# KiCad board pcb.kicad_pcb (continued)
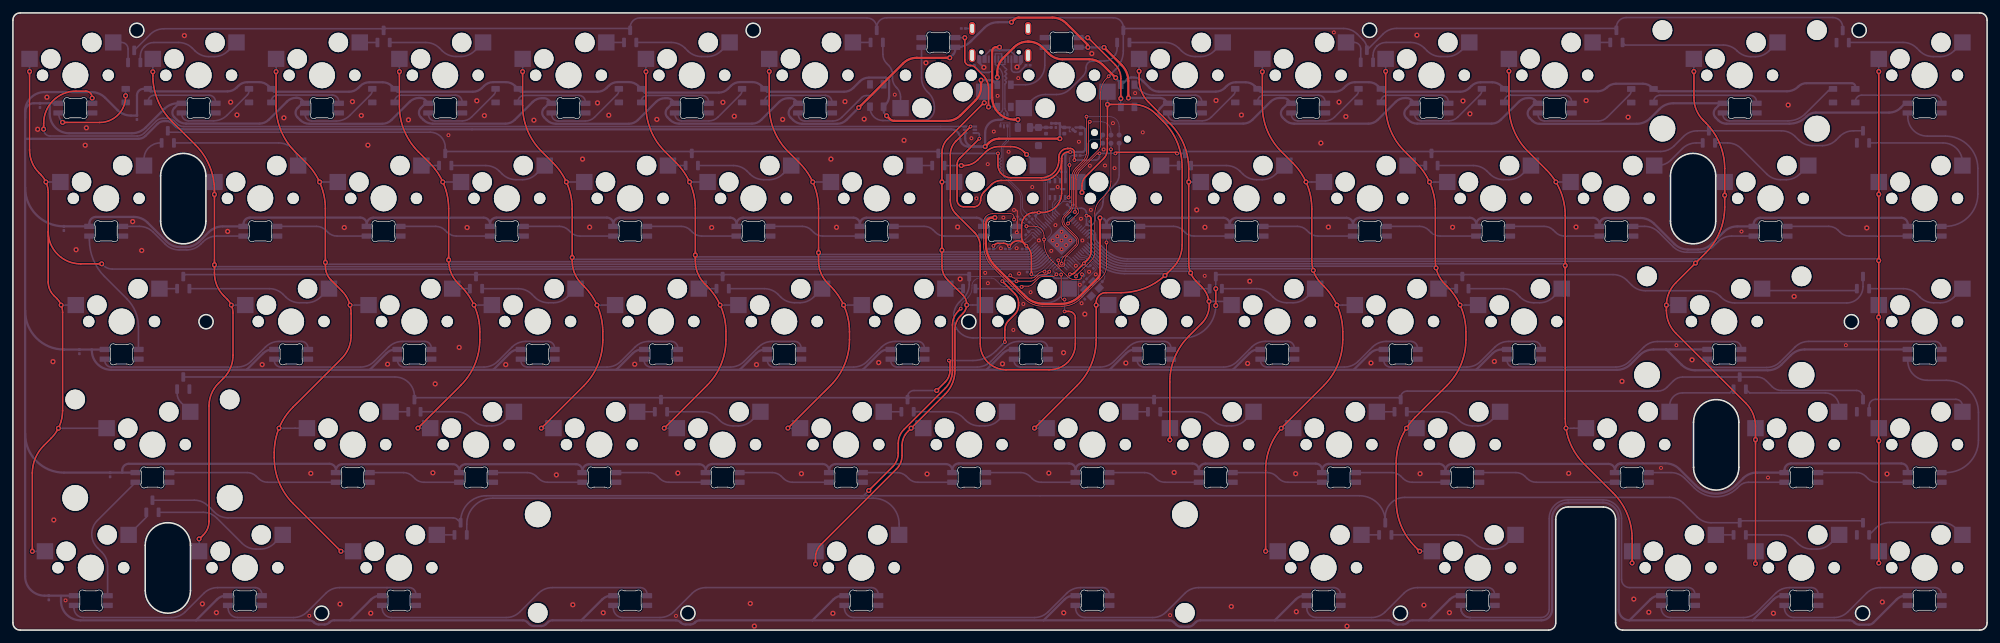
[diagram p0: board, top side]
## Routing (per net, layer and track width the routed paths; a pad name or vN(x,y) marks a point on that pad's centre or on a via; arc(x,y) is an arc through that point) (continued)
/QSPI_SD0: length 6.4
  Bottom w0.128: U1.5 160.03,69.53 arc(159.89,69.47) 159.83,69.33 159.83,64.89 arc(159.91,64.5) 160.13,64.18 U6.53
/QSPI_SD1: length 3.1
  Bottom w0.128: U6.55 160.87,64.57 160.87,65.44 arc(160.93,65.75) 161.1,66.01 161.82,66.73 U1.2
/QSPI_SD2: length 3.2
  Bottom w0.128: U1.3 161.03,66.55 160.83,66.35 arc(160.67,66.11) 160.61,65.82 160.61,64.26 U6.54
/QSPI_SD3: length 10.1
  Bottom w0.128: U6.51 159.61,63.56 arc(159.4,63.88) 159.32,64.27 159.32,69.7 arc(159.52,70.18) 160,70.38 160.95,70.38 arc(161.15,70.34) 161.31,70.23 161.82,69.71 U1.7
/RGB_5V: length 157.1
  Top w0.25: v1(12.25,82.32) 12.25,82.4 arc(11.95,83.11) 11.25,83.4 9.75,83.4 arc(6.21,81.94) 4.75,78.4 4.75,77.52 v1(4.74,77.51)
  Bottom w0.25: v1(12.25,82.32) 12.25,81.93 12.25,81.93 D15.4 ; U7.3 143.36,77.92 143.36,77.92 26.4,77.92 arc(25.82,78.03) 25.33,78.36 24.94,78.75 arc(24.45,79.08) 23.88,79.19 23.19,79.19 arc(22.61,79.08) 22.13,78.75 20.27,76.89 arc(19.78,76.57) 19.21,76.45 5.74,76.45 arc(5.04,76.75) 4.74,77.45 v1(4.74,77.51)
/RGB_DO: length 70
  Top w0.128: v2(162.5,51.15) 162.27,51.15 arc(162.06,51.24) 161.97,51.44 v2(161.97,55.02)
  Top w0.25: v2(162.5,49.31) 163.17,49.31 arc(163.87,49.02) 164.17,48.31 164.17,44.28 arc(163,41.45) 160.17,40.28 153.47,40.28 arc(150.64,41.45) 149.47,44.28 149.47,59.4 arc(149.24,60.55) 148.59,61.52 145.73,64.38 arc(145.08,65.35) 144.85,66.5 144.85,73.55 arc(145.08,74.7) 145.73,75.67 v2(147.98,77.92)
  Bottom w0.128: U6.29 161.86,55.61 arc(161.94,55.48) 161.97,55.32 v2(161.97,55.02) ; U7.4 v2(147.98,77.92) ; v2(162.5,51.15) v2(162.5,49.31)
/RST: length 24.8
  Top w0.128: v2(169.67,74.4) 169.67,69.44 arc(169.44,68.29) 168.79,67.32 168.06,66.59 arc(167.41,65.62) 167.18,64.47 167.18,58.57 arc(167.02,57.8) 166.59,57.15 164.28,54.84 v2(164.28,54.72)
  Bottom w0.128: v2(164.28,54.72) 164.28,55.09 arc(164.2,55.47) 163.98,55.8 U6.26 ; J1.3 v2(169.67,74.4)
/SWD_CLK: length 34.6
  Top w0.128: v2(166.4,78.66) 166.2,78.66 166.2,73.95 arc(166.04,73.18) 165.61,72.53 164.47,71.39 arc(164.04,70.74) 163.88,69.97 163.88,66.01 arc(163.73,65.24) 163.3,64.6 162.68,63.98 arc(162.39,63.27) 162.68,62.56 164.35,60.89 arc(164.66,60.13) 164.35,59.38 162.83,57.86 arc(162.62,57.53) 162.54,57.15 162.54,56.66 arc(162.5,56.49) 162.4,56.34 arc(162.06,56.19) 161.71,56.34 161.67,56.39 arc(161.57,56.53) 161.54,56.69 v2(161.54,57.22)
  Bottom w0.128: U6.24 163.32,57.59 arc(162.61,57.88) 161.91,57.59 v2(161.54,57.22) ; v2(166.4,78.66) 168.17,78.66 arc(169.23,78.22) 169.67,77.16 169.67,76.61
/SWD_IO: length 34.9
  Top w0.128: v2(162.05,56.7) 162.05,57.02 arc(162.12,57.4) 162.34,57.73 164.16,59.55 arc(164.4,60.13) 164.16,60.72 162.45,62.43 arc(162.1,63.27) 162.45,64.11 163.04,64.7 arc(163.47,65.35) 163.63,66.12 163.63,70.08 arc(163.78,70.85) 164.21,71.49 165.32,72.6 arc(165.75,73.25) 165.91,74.02 165.91,79.45 v2(165.9,79.46)
  Bottom w0.128: 170.94,76.61 170.94,77.96 arc(170.5,79.02) 169.44,79.46 v2(165.9,79.46) ; U6.25 163.2,57.15 arc(162.85,57.29) 162.49,57.15 v2(162.05,56.7)
/USB/PORT+: length 11.9
  Bottom w0.2: J2.B6 153.29,87.52 152.29,87.52 J2.A6 ; 152.79,87.52 153.29,87.02 arc(153.33,86.93) 153.42,86.89 arc(153.51,86.85) 153.55,86.76 153.55,86.69 arc(153.51,86.6) 153.42,86.56 arc(153.33,86.52) 153.29,86.43 153.29,86.36 arc(153.33,86.27) 153.42,86.23 arc(153.51,86.19) 153.55,86.1 153.55,86.04 arc(153.51,85.94) 153.42,85.9 arc(153.33,85.87) 153.29,85.77 153.29,85.71 arc(153.33,85.61) 153.42,85.58 arc(153.51,85.54) 153.55,85.44 153.55,85.38 arc(153.51,85.29) 153.42,85.25 arc(153.33,85.21) 153.29,85.12 153.29,85.05 arc(153.32,84.98) 153.39,84.95 arc(153.46,84.92) 153.49,84.85 153.49,84.72 arc(153.46,84.65) 153.39,84.62 arc(153.32,84.59) 153.29,84.52 153.29,80.69 arc(153.33,80.5) 153.43,80.33 153.67,80.09 U2.6
/USB/PORT-: length 11.8
  Bottom w0.2: J2.A7 152.79,89.18 151.79,89.18 J2.B7 151.79,87.56 152.47,86.88 arc(152.83,86.33) 152.96,85.69 152.96,80.64 arc(152.92,80.45) 152.81,80.29 152.6,80.07 U2.4
/USB/USB+: length 18.1
  Bottom w0.128: R1.1 156.03,64.13 arc(155.81,64.45) 155.74,64.83 155.74,66.69 arc(155.58,67.46) 155.15,68.11 152.73,70.53 152.73,70.58 arc(152.69,70.67) 152.6,70.71 152.55,70.71 arc(152.46,70.75) 152.43,70.84 arc(152.46,70.93) 152.55,70.96 152.6,70.96 arc(152.69,71) 152.73,71.09 arc(152.69,71.18) 152.6,71.22 152.55,71.22 arc(152.46,71.26) 152.43,71.35 arc(152.46,71.44) 152.55,71.48 152.6,71.48 arc(152.69,71.51) 152.73,71.6 arc(152.69,71.69) 152.6,71.73 152.55,71.73 arc(152.46,71.77) 152.43,71.86 arc(152.46,71.95) 152.55,71.99 152.6,71.99 arc(152.69,72.03) 152.73,72.12 arc(152.69,72.21) 152.6,72.24 152.55,72.24 arc(152.46,72.28) 152.43,72.37 arc(152.46,72.46) 152.55,72.5 152.6,72.5 arc(152.69,72.54) 152.73,72.63 arc(152.69,72.72) 152.6,72.76 152.55,72.76 arc(152.46,72.79) 152.43,72.88 arc(152.46,72.97) 152.55,73.01 152.6,73.01 arc(152.69,73.05) 152.73,73.14 152.73,74.55 arc(152.8,74.93) 153.02,75.25 153.38,75.61 arc(153.6,75.94) 153.67,76.32 U2.1
/USB/USB-: length 18.2
  Bottom w0.128: U2.3 152.6,78.47 154.05,78.47 154.05,76.34 arc(153.98,75.96) 153.76,75.63 153.28,75.15 arc(153.06,74.82) 152.98,74.44 152.98,71.05 arc(153.06,70.67) 153.28,70.34 155.41,68.21 arc(155.84,67.56) 155.99,66.8 155.99,65.53 arc(156.07,65.15) 156.29,64.82 R2.1
C0: length 251.2
  Top w0.25: 5.45,61.67 5.45,53.88 arc(5.68,52.73) 6.33,51.76 6.79,51.3 arc(7.44,50.32) 7.67,49.18 7.67,33.94 arc(7.21,31.64) 5.91,29.69 4.75,28.54 arc(3.45,26.59) 3,24.29 v1(3,12.18) ; 5.45,61.67 5.45,67.68 arc(5.14,69.21) 4.28,70.51 4.03,70.76 arc(2.95,72.38) 2.57,74.29 v1(2.57,86.44) ; 5.45,61.67 arc(6.91,58.13) 10.45,56.67 v1(13.72,56.67)
  Bottom w0.25: v1(3,12.18) 4.94,12.18 MX59.1 ; v1(2.57,86.44) 2.56,86.44 MX1.1 ; v1(7.45,50.29) MX31.1 ; v1(5.09,69.34) MX16.1 ; MX45.1 14.46,31.23 v1(7.03,31.23) ; U6.34 159.19,56.59 arc(158.38,56.05) 157.42,55.86 15.36,55.86 arc(14.59,56.01) 13.94,56.45 v1(13.72,56.67)
C1: length 215.2
  Top w0.25: v1(28.76,14.1) 28.81,14.1 29.42,14.71 arc(30.07,15.68) 30.3,16.83 30.3,34.66 arc(30.68,36.57) 31.76,38.19 32.54,38.98 arc(33.63,40.6) 34.01,42.51 34.01,49.06 arc(33.78,50.21) 33.13,51.18 32.6,51.71 arc(31.52,53.33) 31.14,55.24 31.14,56.57 ; 31.14,56.57 v1(31.14,56.51) ; 31.14,56.57 v1(31.14,67.41) 31.14,68 arc(30.38,71.82) 28.21,75.07 24.55,78.73 arc(22.38,81.98) 21.62,85.8 v1(21.62,86.4)
  Bottom w0.25: U6.35 158.9,56.87 arc(158.2,56.4) 157.37,56.24 31.41,56.24 v1(31.14,56.51) ; v1(21.62,86.4) 21.61,86.4 MX2.1 ; MX17.1 31.14,69.34 v1(31.14,67.41) ; MX60.1 28.76,14.1 v1(28.76,14.1) ; v1(33.75,50.29) 35.9,50.29
C2: length 211.6
  Top w0.25: v1(40.66,86.42) 40.66,81.1 arc(41.42,77.28) 43.59,74.03 45.35,72.27 arc(47.52,69.02) 48.28,65.2 48.28,56.9 v1(48.29,56.89) 48.29,56.27 arc(48.52,55.12) 49.17,54.15 50.79,52.52 arc(51.88,50.9) 52.26,48.99 52.26,45.56 arc(51.88,43.65) 50.79,42.03 43.31,34.54 arc(41.14,31.29) 40.38,27.47 40.38,26.64 arc(41.14,22.82) 43.31,19.57 v1(50.69,12.19)
  Bottom w0.25: v1(48.29,56.89) 48.56,56.62 157.33,56.62 arc(158.02,56.75) 158.61,57.14 U6.36 ; v1(40.66,86.42) 40.66,86.43 MX3.1 ; v1(47.39,69.34) MX18.1 ; MX33.1 v1(52.09,50.29) ; MX46.1 v1(41.12,31.24) ; v1(50.69,12.19) MX61.1
C3: length 164.3
  Top w0.25: v1(62.58,31.25) 69.22,37.89 arc(71.39,41.14) 72.15,44.96 72.15,46.15 arc(71.39,49.97) 69.22,53.22 68.79,53.65 arc(67.71,55.27) 67.33,57.18 67.33,57.21 ; v1(67.33,57.27) 67.33,57.21 ; 67.33,57.21 67.33,65.2 arc(66.57,69.02) 64.4,72.27 62.65,74.02 arc(60.48,77.27) 59.72,81.09 v1(59.72,86.42)
  Bottom w0.25: MX47.1 64.47,31.25 v1(62.58,31.25) ; v1(66.42,69.34) MX19.1 ; v1(59.72,86.42) 59.71,86.42 MX4.1 ; v1(67.33,57.27) 67.6,56.99 157.17,56.99 arc(157.84,57.12) 158.4,57.5 U6.37 ; v1(71.25,50.29) MX34.1
C4: length 144.8
  Top w0.25: 86.42,57.62 86.42,57.1 arc(86.8,55.19) 87.88,53.57 88.22,53.23 arc(90.39,49.98) 91.15,46.16 91.15,44.88 arc(90.39,41.06) 88.22,37.81 v1(81.65,31.24) ; 86.42,57.62 86.42,65.2 arc(85.66,69.02) 83.49,72.27 81.69,74.07 arc(79.52,77.32) 78.76,81.14 v1(78.76,86.42) ; 86.42,57.62 v1(86.42,57.65)
  Bottom w0.25: v1(81.65,31.24) MX48.1 ; MX5.1 78.76,86.43 v1(78.76,86.42) ; U6.38 158.17,57.84 arc(157.65,57.49) 157.05,57.37 86.69,57.37 v1(86.42,57.65) ; v1(90.25,50.29) MX35.1 ; v1(85.52,69.34) MX20.1
C5: length 125.6
  Top w0.25: 105.45,57.96 105.45,65.21 arc(104.69,69.03) 102.52,72.28 100.75,74.05 arc(98.58,77.3) 97.82,81.12 v1(97.82,86.41) ; 105.45,57.96 105.45,57.1 arc(105.83,55.19) 106.91,53.57 107.25,53.23 arc(109.42,49.98) 110.18,46.16 110.18,44.92 arc(109.42,41.1) 107.25,37.85 v1(100.64,31.24) ; 105.45,57.96 v1(105.45,58.02)
  Bottom w0.25: v1(104.56,69.34) MX21.1 ; v1(109.28,50.29) MX36.1 ; U6.39 157.96,58.19 arc(157.47,57.86) 156.89,57.75 105.72,57.75 v1(105.45,58.02) ; MX6.1 97.81,86.41 v1(97.82,86.41) ; v1(100.64,31.24) MX49.1
C6: length 106.1
  Top w0.25: v1(116.87,86.45) 116.87,81.1 arc(117.63,77.28) 119.8,74.03 121.56,72.27 arc(123.73,69.02) 124.49,65.2 124.49,58.39 ; v1(124.49,58.4) 124.49,58.39 ; 124.49,58.39 124.49,57.14 arc(124.87,55.23) 125.95,53.61 126.34,53.22 arc(128.51,49.97) 129.27,46.15 129.27,44.91 arc(128.51,41.09) 126.34,37.84 v1(119.75,31.25)
  Bottom w0.25: MX7.1 116.86,86.45 v1(116.87,86.45) ; v1(123.59,69.34) MX22.1 ; U6.40 157.7,58.5 arc(157.29,58.22) 156.8,58.13 124.76,58.13 v1(124.49,58.4) ; MX50.1 121.62,31.25 v1(119.75,31.25) ; v1(128.36,50.29) MX37.1
C7: length 109.5
  Top w0.25: v1(124.01,10.21) 124.01,11.15 arc(124.24,12.3) 124.89,13.27 136.52,24.9 arc(137.17,25.87) 137.4,27.02 137.4,28.6 arc(137.63,29.75) 138.28,30.72 144.04,36.48 arc(145.16,38.16) 145.55,40.14 145.55,46.5 arc(145.78,47.65) 146.43,48.63 146.8,48.99 arc(147.38,50.41) 146.8,51.82 144.44,54.18 arc(143.79,55.15) 143.56,56.3 143.56,58.75 ; 143.56,58.75 v1(143.56,69.34) 143.56,73.88 arc(143.79,75.03) 144.44,76 150.04,81.6 v1(150.1,81.6) ; 143.56,58.75 v1(143.56,58.78)
  Bottom w0.25: v1(124.01,10.21) 124.01,12.19 MX62.1 ; v1(147.38,50.3) 150.19,50.3 MX38.1 ; v1(143.56,69.34) MX23.1 ; v1(138.8,31.24) MX51.1 ; MX8.1 150.08,81.61 v1(150.1,81.6) ; U6.41 157.44,58.8 arc(157.11,58.58) 156.71,58.5 143.83,58.5 v1(143.56,58.78)
C8: length 106.8
  Top w0.25: v1(165.19,67.72) 165.19,68.78 arc(165.34,69.55) 165.78,70.2 168.53,72.95 arc(168.96,73.6) 169.11,74.36 169.11,76.02 169.13,76.03 v1(169.13,81.34) 173.06,81.34 arc(174.97,80.96) 176.59,79.88 177.74,78.73 arc(179.91,75.49) 180.67,71.66 180.67,59.58 arc(180.29,57.67) 179.2,56.05 178.3,55.14 arc(175.06,52.98) 171.23,52.21 168.89,52.21 arc(167.83,51.78) 167.39,50.71 v1(167.39,50.29) 167.39,44.93 arc(166.63,41.11) 164.46,37.86 v1(157.85,31.25)
  Bottom w0.25: MX52.1 159.72,31.25 v1(157.85,31.25) ; v1(169.13,81.34) 169.13,81.35 MX9.1 ; MX24.1 165.19,68.64 v1(165.19,67.72) ; U6.18 167.3,57 arc(169.35,55.63) 171.77,55.15 177.81,55.15 178.02,54.95 v1(178.02,54.88) ; v1(167.39,50.29) MX39.1
C9: length 89.4
  Top w0.25: v1(174.02,86.48) 174.02,85.22 arc(174.4,83.31) 175.48,81.69 178.76,78.41 arc(180.93,75.16) 181.69,71.34 v1(181.69,69.34) 181.69,56.78 arc(181.99,55.25) 182.86,53.95 183.69,53.12 arc(184.86,50.29) 183.69,47.46 181.7,45.47 arc(179.53,42.22) 178.77,38.4 v1(178.77,29.42)
  Bottom w0.25: MX10.1 174.01,86.48 v1(174.02,86.48) ; MX53.1 178.77,31.23 v1(178.77,29.42) ; v1(181.99,55.27) 181.73,55.53 171.92,55.53 arc(169.54,56) 167.51,57.36 U6.17 ; v1(184.82,50.86) 184.82,50.86 187.73,50.86 MX40.1 ; v1(181.69,69.34) MX25.1
C10: length 129.5
  Top w0.25: v1(193.07,86.4) 193.07,81.12 arc(193.83,77.3) 196,74.05 197.78,72.27 arc(199.95,69.02) 200.71,65.2 200.71,57.14 arc(201.09,55.23) 202.17,53.61 202.56,53.22 arc(204.73,49.97) 205.49,46.15 205.49,44.91 arc(204.73,41.09) 202.56,37.84 196.5,31.78 arc(194.33,28.53) 193.57,24.71 v1(193.57,12.19)
  Bottom w0.25: v1(193.07,86.4) 193.06,86.4 MX11.1 ; v1(193.57,12.19) MX63.1 ; U6.16 167.82,57.62 arc(169.7,56.36) 171.91,55.92 200.67,55.92 v1(200.94,55.66) ; MX41.1 v1(204.59,50.29) ; MX54.1 195.96,31.24 v1(195.99,31.24) ; v1(199.81,69.34) MX26.1
C11: length 148.3
  Top w0.25: v1(212.12,86.47) 212.12,81.15 arc(212.88,77.33) 215.05,74.08 216.87,72.26 arc(219.04,69.01) 219.8,65.19 219.8,57.08 arc(220.18,55.17) 221.26,53.55 221.59,53.22 arc(223.76,49.97) 224.52,46.15 224.52,44.91 arc(223.76,41.09) 221.59,37.84 216.68,32.93 arc(214.51,29.68) 213.75,25.86 213.75,19.97 arc(214.51,16.15) 216.68,12.9 v1(217.39,12.19)
  Bottom w0.25: MX27.1 221.63,69.33 v1(218.9,69.33) ; MX42.1 223.63,50.29 v1(223.62,50.3) ; U6.15 168.07,57.93 arc(169.86,56.73) 171.98,56.31 219.63,56.31 v1(219.91,56.04) ; MX55.1 v1(215.33,31.24) ; v1(212.12,86.47) 212.11,86.47 MX12.1 ; v1(217.39,12.19) MX64.1
C12: length 167.2
  Top w0.25: v1(250.2,10.38) 250.21,10.39 250.21,14.14 arc(249.45,17.96) 247.28,21.21 242.8,25.69 arc(240.63,28.94) 239.87,32.76 239.87,56.05 ; 239.87,56.05 239.87,64.17 arc(239.11,68) 236.94,71.24 234.1,74.08 arc(231.93,77.33) 231.17,81.15 v1(231.17,86.49) ; 239.87,56.05 v1(239.87,56.42)
  Bottom w0.25: v1(231.17,86.49) 231.16,86.49 MX13.1 ; v1(239.87,56.42) 239.59,56.69 172.06,56.69 arc(170.03,57.09) 168.32,58.24 166.91,59.64 arc(166.63,60.07) 166.53,60.58 arc(166.51,60.65) 166.47,60.72 U6.14 ; MX65.1 250.2,12.17 v1(250.2,10.38) ; MX56.1 v1(239.99,31.24) ; MX28.1 v1(238.43,69.34)
C13: length 191.8
  Top w0.25: 259.98,56.78 256.96,53.75 arc(255.88,52.13) 255.5,50.22 255.5,49.46 arc(255.88,47.55) 256.96,45.93 267.8,35.08 arc(268.89,33.46) 269.27,31.55 v1(269.27,29.47) 269.27,10.29 v1(269.26,10.28) ; 259.98,56.78 260,56.79 v1(260,56.79) ; 259.98,56.78 261.58,58.37 arc(263.75,61.62) 264.51,65.44 v1(264.51,67.28) 264.51,71.43 arc(263.75,75.25) 261.58,78.5 261.21,78.87 arc(260.13,80.49) 259.75,82.4 v1(259.75,86.44)
  Bottom w0.25: v1(260,56.79) 259.72,57.07 172.17,57.07 arc(170.19,57.46) 168.51,58.58 167.29,59.8 arc(167.01,60.21) 166.92,60.7 166.92,61.16 arc(166.9,61.24) 166.86,61.3 166.72,61.44 arc(166.51,61.53) 166.3,61.44 U6.13 ; v1(269.27,29.47) 269.27,31.24 MX57.1 ; v1(269.26,10.28) 269.26,12.18 MX66.1 ; 264.5,69.34 264.5,67.29 v1(264.51,67.28) ; v1(259.75,86.44) 259.74,86.45 MX14.1 ; v1(255.5,50.29) MX43.1
C14: length 211.3
  Top w0.25: 288.32,57.85 288.32,57.18 v1(288.31,57.17) ; 288.32,57.85 v1(288.32,67.44) v1(288.32,86.43) ; 288.32,57.85 288.32,48.44 v1(288.3,48.42) 288.3,29.31 v1(288.32,29.29) v1(288.32,10.37)
  Bottom w0.25: MX67.1 288.32,12.19 v1(288.32,10.37) ; v1(288.31,57.17) 288.03,57.45 172.25,57.45 arc(170.34,57.83) 168.72,58.91 167.62,60.01 arc(167.38,60.36) 167.3,60.78 167.3,61.17 arc(167.25,61.38) 167.13,61.57 166.96,61.74 arc(166.5,61.93) 166.03,61.74 U6.12 ; MX44.1 288.3,50.27 v1(288.3,48.42) ; MX30.1 288.32,69.34 v1(288.32,67.44) ; v1(288.32,29.29) 288.32,31.24 MX58.1 ; v1(288.32,86.43) 288.31,86.43 MX15.1
R0: length 308.8
  Top w0.128: v2(164.1,64.7) 164.14,64.74 164.14,69.87 arc(164.29,70.63) 164.72,71.28 167.73,74.28 arc(167.99,74.68) 168.09,75.16 168.09,83.22 arc(168.32,84.37) 168.97,85.34 v2(169.32,85.69)
  Bottom w0.128: v2(164.1,64.7) 163.42,64.7 arc(163.34,64.68) 163.28,64.64 U6.2
  Bottom w0.25: v2(169.32,85.69) 170.41,86.78 arc(171.27,88.08) 171.58,89.61 D88.3 ; D88.3 171.58,93.25 arc(171.14,94.31) 170.08,94.75 134.98,94.75 arc(133.92,94.31) 133.48,93.25 D87.3 133.48,93.23 arc(133.04,94.29) 131.98,94.73 96.88,94.73 arc(95.82,94.29) 95.38,93.23 D86.3 95.09,93.1 57.58,93.1 D85.3 57.02,93.05 23.32,93.05 arc(22.17,92.82) 21.2,92.17 D84.3 ; D88.3 171.87,93.09 205.62,93.09 arc(206.77,92.86) 207.74,92.21 208.63,91.32 arc(209.06,90.67) 209.22,89.91 D89.3 211.71,92.23 arc(212.68,92.88) 213.83,93.11 247.48,93.11 D90.3 247.78,93.28 arc(248.22,94.34) 249.28,94.78 281.24,94.78 arc(282.3,94.34) 282.74,93.28 D91.3
R1: length 290.2
  Top w0.128: v2(163.03,62.91) 164.55,64.44 arc(164.7,64.79) 164.55,65.14 164.54,65.16 arc(164.43,65.32) 164.39,65.51 164.39,69.76 arc(164.55,70.53) 164.98,71.18 167.56,73.76 v2(167.9,73.76) ; 179.71,73.93 v2(179.88,73.76) ; v2(170.36,73.76) 170.53,73.93
  Top w0.25: v2(152.21,73.76) 152.21,72 arc(152.79,70.58) 154.21,70 158.92,70 arc(160.82,70.78) 161.61,72.68 161.61,73.15 arc(162.01,74.12) 162.99,74.53 163.4,74.53 arc(163.84,74.35) 164.02,73.91 v2(164.02,72.73) ; 170.53,73.93 179.71,73.93
  Bottom w0.128: U6.3 162.93,63.72 162.93,63.01 v2(163.03,62.91)
  Bottom w0.25: v2(152.21,73.76) 152.2,73.76 D95.3 142.7,74.06 105.2,74.06 D94.3 104.6,74.06 67.1,74.06 D93.3 66.8,74.73 arc(66.12,76.36) 64.49,77.04 24.14,77.04 D92.3 ; v2(170.36,73.76) v2(167.9,73.76) 167.9,73.32 arc(167.73,72.9) 167.31,72.73 v2(164.02,72.73) ; D99.3 284.39,77.26 arc(283.24,77.03) 282.27,76.38 281.74,75.85 arc(280.76,75.2) 279.61,74.97 278.05,74.97 arc(276.9,75.2) 275.93,75.85 275.4,76.38 arc(274.42,77.03) 273.28,77.26 D98.3 260.27,77.26 arc(259.12,77.03) 258.15,76.38 256.71,74.94 arc(255.73,74.29) 254.58,74.06 219.5,74.06 D97.3 218.9,74.06 181.4,74.06 D96.3 v2(179.88,73.76)
R2: length 297.8
  Top w0.128: v2(154.12,54.9) 154.4,54.62 arc(154.56,54.51) 154.75,54.47 157.34,54.47 arc(157.72,54.55) 158.04,54.77 158.45,55.18 arc(158.78,55.39) 159.16,55.47 v2(159.41,55.47)
  Top w0.25: v1(185.87,50.21) v1(185.87,52.83)
  Bottom w0.128: U6.32 159.41,55.68 v2(159.41,55.47) ; D103.3 147.79,54.73 153.94,54.73 v2(154.12,54.9)
  Bottom w0.25: D106.3 285.88,53.15 arc(285.14,51.36) 283.35,50.62 266.08,50.62 arc(264.93,50.85) 263.96,51.5 263.83,51.63 arc(262.85,52.28) 261.7,52.51 252.25,52.51 arc(251.1,52.74) 250.13,53.39 249.39,54.13 arc(248.41,54.78) 247.27,55.01 224.27,55.01 D105.3 223.67,55.01 186.17,55.01 D104.3 v1(185.87,52.83) ; D100.3 26.62,55.01 71.26,55.01 D101.3 71.86,55.01 109.37,55.01 D102.3 109.97,55.01 147.47,55.01 D103.3 147.77,53.52 arc(147.54,52.37) 146.89,51.4 146.26,50.77 arc(145.61,49.8) 145.38,48.65 145.38,48.21 arc(146.26,46.09) 148.38,45.21 180.87,45.21 arc(184.4,46.67) v1(185.87,50.21)
R3: length 306.9
  Top w0.128: v2(155.06,53.98) 157.22,53.98 arc(157.6,54.06) 157.92,54.28 158.33,54.69 arc(158.66,54.9) 159.04,54.98 159.45,54.98 arc(159.64,55.02) 159.8,55.12 v2(160.13,55.46)
  Top w0.25: v2(152.88,53.99) 154.82,52.05 arc(155.25,51.4) 155.4,50.64 155.4,50.27 arc(155.25,49.51) 154.82,48.86 153.86,47.91 arc(153.43,47.26) 153.28,46.49 v2(153.28,44.58) ; v2(144.62,41.71) 144.8,41.54 144.8,40.19 arc(144.6,39.21) 144.05,38.38 v1(142.74,37.07)
  Bottom w0.128: 152.88,53.98 v2(152.88,53.99) ; U6.31 160.3,56 arc(160.18,55.82) 160.13,55.61 v2(160.13,55.46)
  Bottom w0.25: D110.3 138.54,35.96 176.04,35.96 D111.3 176.64,35.96 214.14,35.96 D112.3 214.44,35.98 arc(214.73,36.69) 215.44,36.98 254.17,36.98 arc(254.93,37.13) 255.58,37.57 256.59,38.57 arc(257.24,39.01) 258,39.16 D113.3 269.52,39.16 arc(270.29,39.01) 270.94,38.57 271.84,37.66 arc(272.49,37.23) 273.26,37.08 284.88,37.08 arc(285.58,36.78) 285.88,36.08 D114.3 ; D110.3 138.24,36.07 arc(138.53,36.78) 139.24,37.07 v1(142.74,37.07) ; D110.3 137.94,35.96 100.44,35.96 D109.3 99.84,35.96 62.34,35.96 D108.3 62.04,36.17 arc(61.16,38.29) 59.04,39.17 D107.3 ; v2(144.62,41.71) 148.34,41.71 arc(150.25,42.09) 151.87,43.17 v2(153.28,44.58) ; v2(155.06,53.98) 152.88,53.98
R4: length 330.3
  Top w0.128: v2(161.25,55.05) 161.07,54.87 arc(160.9,54.76) 160.71,54.72 159.16,54.72 arc(158.78,54.65) 158.45,54.43 157.53,53.51 arc(157.25,53.31) 156.92,53.22 155.99,53.22 v2(155.87,53.1)
  Top w0.25: v1(132.24,21.59) 135.92,25.27 arc(136.57,26.24) 136.8,27.39 136.8,28.92 arc(137.03,30.07) 137.68,31.04 144.04,37.41 arc(144.88,38.66) 145.18,40.15 145.18,47.21 arc(145.41,48.37) 146.07,49.36 v2(146.46,49.75)
  Bottom w0.128: U6.30 160.8,55.94 arc(160.71,55.72) 160.8,55.5 v2(161.25,55.05) ; v2(146.46,49.75) 146.54,49.83 146.54,50.22 arc(146.58,50.41) 146.68,50.58 147.61,51.5 arc(148.04,52.15) 148.2,52.92 148.2,53.32 arc(148.27,53.7) 148.49,54.02 148.63,54.17 arc(148.96,54.38) 149.34,54.46 151.17,54.46 arc(151.56,54.38) 151.88,54.17 152.6,53.44 arc(152.93,53.23) 153.31,53.15 155.82,53.15 v2(155.87,53.1)
  Bottom w0.25: 131.06,20.79 131.44,20.79 v1(132.24,21.59) ; 131.06,20.79 208.06,20.79 arc(210.89,19.62) 212.06,16.79 D117.3 212.06,17.53 arc(212.94,19.65) 215.06,20.53 255.98,20.53 arc(257.13,20.3) 258.11,19.65 260.27,17.49 arc(261.24,16.84) 262.39,16.61 D118.3 267.13,16.91 285.58,16.91 D119.3 ; 131.06,20.79 73.18,20.79 arc(70.35,19.62) 69.18,16.79 D116.3 68.72,17.07 arc(68.39,17.28) 68.01,17.36 33.25,17.36 arc(32.11,17.59) 31.13,18.24 30.15,19.22 arc(29.18,19.87) 28.03,20.1 D115.3
Net-(C24-Pad2): length 2.4
  Bottom w0.128: 165.35,53.74 165.35,52.95 Y2.1 165.63,52.14 C24.2
Net-(D1-DIN): length 14.9
  Top w0.25: v1(17.41,82.69) 17.41,82.55 arc(16.24,79.72) 13.41,78.55 7.69,78.55 v1(7.67,78.57)
  Bottom w0.25: v1(17.41,82.69) 17.41,83.73 D1.2 ; D15.2 7.05,80.02 arc(7.2,79.25) 7.64,78.6 v1(7.67,78.57)
Net-(D1-DOUT): length 11.9
  Bottom w0.25: D1.4 20.88,81.77 arc(21.17,82.48) 21.88,82.77 30.3,82.77 arc(31.01,82.48) 31.3,81.77 D16.4
Net-(D10-DIN): length 13.5
  Bottom w0.25: D24.2 178.5,79.8 arc(178.79,79.09) 179.5,78.8 183.77,78.8 arc(184.53,78.95) 185.18,79.39 188.58,82.79 arc(188.8,83.11) 188.88,83.49 D10.2
Net-(D10-DOUT): length 11.9
  Bottom w0.25: D25.4 202.75,81.77 arc(202.46,82.48) 201.75,82.77 193.33,82.77 arc(192.62,82.48) 192.33,81.77 D10.4
Net-(D11-DIN): length 13.5
  Bottom w0.25: D11.2 207.93,83.5 arc(207.85,83.12) 207.63,82.8 204.21,79.38 arc(203.56,78.94) 202.8,78.79 198.55,78.79 arc(197.84,79.08) 197.55,79.79 D25.2
Net-(D11-DOUT): length 11.9
  Bottom w0.25: D11.4 211.38,81.76 arc(211.67,82.47) 212.38,82.76 220.8,82.76 arc(221.51,82.47) 221.8,81.76 D26.4
Net-(D12-DIN): length 13.5
  Bottom w0.25: D26.2 216.6,79.8 arc(216.89,79.09) 217.6,78.8 221.85,78.8 arc(222.61,78.95) 223.26,79.39 226.69,82.82 arc(226.91,83.14) 226.99,83.52 D12.2
Net-(D12-DOUT): length 11.9
  Bottom w0.25: D12.4 230.44,81.76 arc(230.73,82.47) 231.44,82.76 239.85,82.76 arc(240.56,82.47) 240.85,81.76 D27.4
Net-(D13-DIN): length 17.5
  Bottom w0.25: D13.2 250.07,83.5 arc(249.99,83.12) 249.77,82.8 246.33,79.35 arc(245.7,78.93) 244.95,78.78 236.65,78.78 arc(235.94,79.07) 235.65,79.78 D27.2
Net-(D13-DOUT): length 17.4
  Bottom w0.25: D13.4 253.52,81.76 arc(253.81,82.47) 254.52,82.76 268.42,82.76 arc(269.13,82.47) 269.42,81.76 D28.4
Net-(D14-DIN): length 19.7
  Bottom w0.25: D14.2 281.23,83.74 arc(280.84,83.66) 280.52,83.45 276.98,79.9 arc(275.74,79.08) 274.29,78.79 265.22,78.79 arc(264.52,79.08) 264.22,79.79 D28.2
Net-(D14-DOUT): length 14.8
  Bottom w0.25: D29.4 298,81.78 arc(297.71,82.49) 297,82.78 285.7,82.78 arc(284.99,82.49) 284.7,81.78 D14.4
Net-(D16-DOUT): length 13.5
  Bottom w0.25: D2.2 36.48,83.47 arc(36.4,83.09) 36.18,82.77 33.1,79.68 arc(32.12,79.03) 30.97,78.8 27.1,78.8 arc(26.39,79.09) 26.1,79.8 D16.2
Net-(D17-DIN): length 12
  Bottom w0.25: D17.4 50.35,81.79 arc(50.06,82.5) 49.35,82.79 40.93,82.79 arc(40.22,82.5) 39.93,81.79 D2.4
Net-(D17-DOUT): length 13.5
  Bottom w0.25: D17.2 45.15,79.77 arc(45.44,79.06) 46.15,78.77 49.95,78.77 arc(51.09,79) 52.07,79.65 55.23,82.82 arc(55.45,83.14) 55.53,83.52 D3.2
Net-(D18-DIN): length 11.9
  Bottom w0.25: D18.4 69.4,81.77 arc(69.11,82.48) 68.4,82.77 59.98,82.77 arc(59.27,82.48) 58.98,81.77 D3.4
Net-(D18-DOUT): length 13.5
  Bottom w0.25: D18.2 64.2,79.79 arc(64.49,79.08) 65.2,78.79 69.44,78.79 arc(70.2,78.94) 70.85,79.38 74.28,82.81 arc(74.5,83.13) 74.58,83.51 D4.2